# Altium PCB Middle_PCB_PC104_Shield_Positioning.PcbDoc (part 1 of 2) (continued)
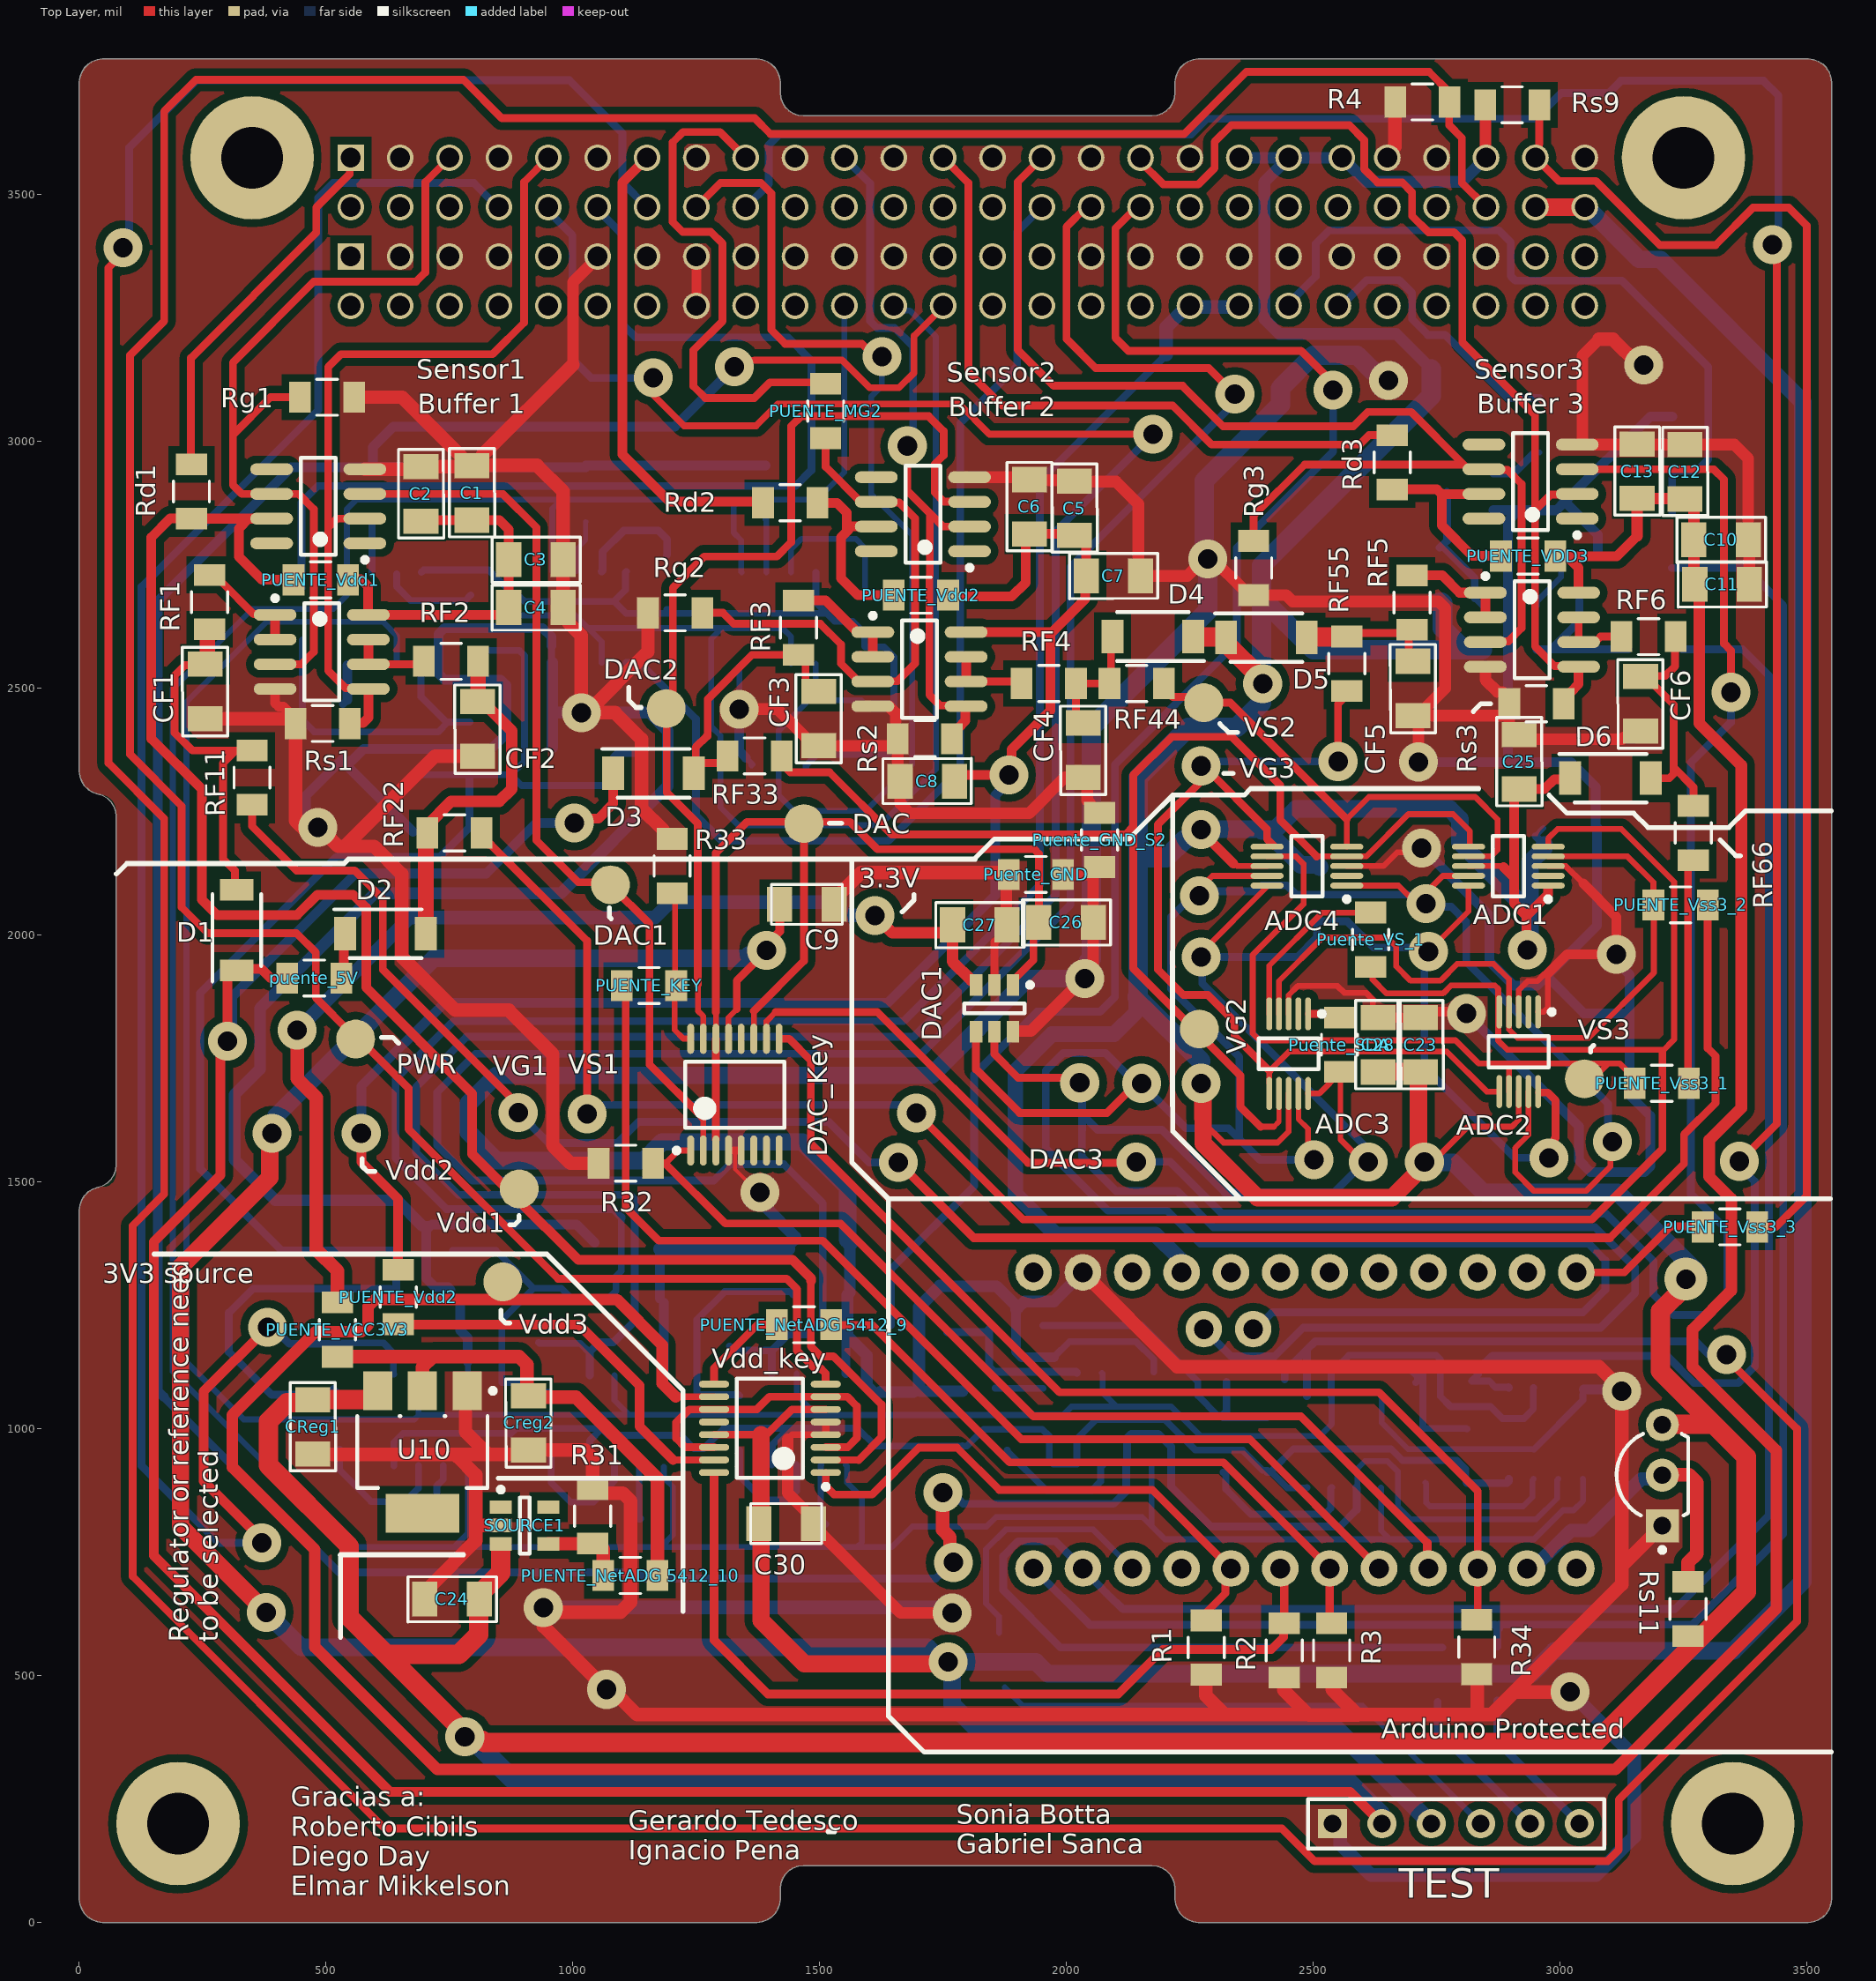
[diagram p0: Top Layer view]
## Part data (continued)
U1 U2 U3 U4 U5 U6 U7 U8 U9: "256K, 32768x8-bit, 3.6V SPI Serial SRAM, 8-Pin SOIC 3.9mm, Extended Temperature", Manufacturer=Microchip, Supplier Part Number 1=23K256-E/SN-ND, Code_IPC=SOIC127P600-8, Code_JEDEC=MS-012, ComponentLink1Description="Manufacturer URL", ComponentLink1URL=http://www.microchip.com/, ComponentLink2Description=Datasheet, ComponentLink2URL=http://ww1.microchip.com/downloads/en/DeviceDoc/22100D.pdf, ComponentLink3Description="Package Specification", ComponentLink3URL=http://www.microchip.com/stellent/groups/techpub_sg/documents/packagingspec/en012702.pdf, DatasheetVersion="revD, Apr-2009", Mounting Technology="Surface Mount", PackageDescription="8-Lead Plastic Small Outline (SN) - Narrow, 3.90mm Body [SOIC]", PackageReference=SOIC-SN8, PackageVersion="revBB, Aug-2009", PartNumber=23K256-E/SN, Supplier 1=Digi-Key, Supplier 2=Mouser, Supplier Part Number 2=579-23K256-E/SN
U10: library part CMP-07128-000021-1, "IC REG LINEAR 3.3V 1A SOT223", Ambient Temperature Range High=+125°C, Ambient Temperature Range Low=-40°C, Case/Package=SOT-223, Dropout Voltage=1.07V, Input Bias Current=6mA, Manufacturer="ON Semiconductor", Manufacturer Part Number=NCV1117ST33T3G, Max Input Voltage=20V, Max Junction Temp=+150°C, Max Operating Temperature=125°C, Max Output Current=1A, Min Supply Voltage=2.4V, Nominal Output Voltage=3.3V, Output Voltage Accuracy=1%, Package=318H, Package Quantity=1, Quiescent Current=10mA, Temperature="-55°C to +150°C", Temperature Range Low=-55°C, Accuracy=1%, Accuracy Percentage=1%, Automotive=Yes, Automotive Grade="Grade 0", Category=IC, ComponentLink1Description=https://datasheet.ciiva.com/2061/ncp1117-d-2061392.pdf?src-supplier=Digi-Key, ComponentLink1URL=https://datasheet.ciiva.com/2061/ncp1117-d-2061392.pdf?src-supplier=Digi-Key, ComponentLink2Description=Datasheet, ComponentLink2URL=https://www.onsemi.com/pub/Collateral/NCP1117-D.PDF, ComponentLink3Description="New link", ComponentLink4Description=https://datasheet.ciiva.com/2061/ncp1117-d-2061390.pdf?src-supplier=Digi-Key, ComponentLink4URL=https://datasheet.ciiva.com/2061/ncp1117-d-2061390.pdf?src-supplier=Digi-Key, ComponentLink5Description=https://datasheet.ciiva.com/2061/ncp1117-d-2061391.pdf?src-supplier=Digi-Key, ComponentLink5URL=https://datasheet.ciiva.com/2061/ncp1117-d-2061391.pdf?src-supplier=Digi-Key, Contact Plating=Tin,Matte, Device Class L1="Integrated Circuits (ICs)", Device Class L2="Power Management ICs", Device Class L3="Voltage Regulators - Linear", Digikey Description="IC REG LINEAR 3.3V 1A SOT223", Height=1.8mm, Ipc Land Pattern Name=SOT230P700X180-4, Lead Free=Yes, Length=6.7mm, Max Supply Voltage=20V, Min Current Limit=1A, Min Operating Temperature=-40°C, Mount="Surface Mount", Mouser Description="LDO Voltage Regulators 3.3V 1.0A Automotive", Nominal Supply Current=6mA, Number Of Outputs=1, Number of Pins=3, Number of Regulators=1, Octopart=https://octopart.com/ncv1117st33t3g-on+semiconductor-1215835, Output Current=1A, Output Type=Fixed, Output Voltage=3.3V, Packaging="Tape and Reel", Polarity=Positive, Pricing 2="1=0,67000, 10=0,57500, 25=0,53640, 100=0,39850, 250=0,33720, 500=0,32188, 1000=0,23758 (USD)", Radiation Hardening=No, REACH SVHC="No SVHC", RoHS=TRUE, RoHS Compliant=Yes, Series="Automotive, AEC-Q100", Standoff Height=0.02mm, Stock 2=7309, Supplier 1=Digi-Key, Supplier 2=Digi-Key, Supplier 3=Digi-Key, Temperature Range High=+150°C, Width=3.7mm

## Free pads (board coordinates)
  round 250 hole 125: 1(3250,3575) 2(350,3575) 3(3350,200) 4(200,200)
  round 78.74 smd: 5(3049.1,1708.85) 6(2278.1,2470.85) 7(2269.1,1809.85) 10(891.1,1485.85) 12(857.95,1297.65) 13(559.75,1789.5) 14(1189,2459) 15(1076,2102) 17(1468,2226)

## Via types
v1: diameter 78.74, hole 39.37, Top Layer to Bottom Layer, 66 vias
v2: diameter 86.61, hole 39.37, Top Layer to Bottom Layer, 1 vias

## Nets (pads, with @x,y where several pads share a name; then routed paths per layer and width w, separated by ;. In a path a pad name is that pad's centre, name@x,y a point inside that pad or via, vN(x,y) a via of type N, cw(c..) or ccw(c..) an arc to the next point about the centre after c; other vN are vias at no path point)
DAC_KEY: C26.2 DAC1.1 DAC_Key.3 DAC_Key.11 DAC_Key.14 pad.17 | length 2052.8
  Top Layer w11.81: DAC_Key.14@1289.71,1790.04 1289.71,1843.85 ; DAC_Key.11@1366.48,1790.04 1366.48,1846.24
  Top Layer w15.75: DAC_Key.3@1289.71,1586.3 DAC_Key.14@1289.71,1790.04 ; 1289.71,1843.85 1289.71,2166.71 1352.37,2229.37 1468,2229.37 1561.58,2229.37 1616.91,2174.04 1934.76,2174.04 1943.98,2164.81 C26.2@1943.98,2025.85 1933.1,2014.97 1933.1,1949.55 1891.5,1907.95 DAC1.1@1891.5,1899.1 ; 1366.48,1846.24 1468,1947.75 pad.17@1468,2226
Dig_1: "Arduino Protected.17" R1.2 Vdd_key.1 | length 1106.3
  Top Layer w15.75: Vdd_key.1@1512.29,910.3 1512.29,883.71 1529.15,866.85 1606.1,866.85 1701.1,961.85 1778.15,961.85 1864,876 2173.95,876 2333.1,716.85 2321.95,705.71 2321.95,666.71 R1.2@2282.1,626.85
Dig_2: "Arduino Protected.18" R2.2 Vdd_key.16 | length 1724.5
  Top Layer w17.72: Vdd_key.16@1286,906.93 1286,571.97 1395.1,462.85 2105.1,462.85 2195.25,553 2415,553 2440,578 2440,604.75 R2.2@2441.1,605.85 2441.1,708.85 2433.1,716.85
Dig_3: "Arduino Protected.19" "PUENTE_NetADG 5412_9.1" "PUENTE_NetADG 5412_9.2" R3.2 Vdd_key.9 | length 1518.2
  Top Layer w15.75: Vdd_key.9@1285.91,1094.06 1285.91,1122.9 1374.01,1211 1412.95,1211 1413.1,1210.85 ; 1523.1,1210.85 1524.1,1209.85 1607.15,1209.85 1885,932 2317.95,932 2533.1,716.85
  Top Layer w17.72: R3.2@2533.1,605.85 2533.1,716.85
Dig_4: "Arduino Protected.21" DAC_Key.1 R32.2 | length 2002.8
  Top Layer w11.81: 1187.85,1537.85 1213.66,1563.66 DAC_Key.1@1238.53,1563.66 ; 2731.14,718.81 2733.1,716.85
  Top Layer w15.75: R32.2@1162.1,1537.85 1187.85,1537.85 ; 1186.66,1537.85 1308.66,1415.85 1542.15,1415.85 1933,1025 2474.71,1025 2731.14,768.57
  Top Layer w17.72: 2731.14,718.81 2731.14,768.57
Dig_5: "Arduino Protected.20" DAC_Key.16 PUENTE_KEY.1 PUENTE_KEY.2 R33.2 | length 2612.9
  Top Layer w11.81: R33.2@1207.1,2096.85 1207.1,1899.85 PUENTE_KEY.2@1209.1,1897.85 1206.11,1894.87 1206.11,1807.89 1223.5,1790.5 1238.07,1790.5 DAC_Key.16@1238.53,1790.04
  Top Layer w15.75: PUENTE_KEY.1@1099.1,1897.85 1107,1889.95 1107,1447.95 1173.95,1381 1506,1381 1908,979 2370.95,979 2633.1,716.85
Dig_6: "Arduino Protected.22" DAC_Key.9 R34.2 | length 2150
  Top Layer w15.75: DAC_Key.9@1422.05,1790.04 1437.96,1790.04 1482.1,1745.9 1482.1,1577.9 1986,1074 2632.95,1074 2833.1,873.85 2833.1,716.85 R34.2@2833.1,612.85
Dig_temp: "Arduino Protected.12" H1.49 PUENTE_Vss3_3.PUENTE_Dig_temp Rs9.2 | length 3167.4
  Top Layer w15.75: Rs9.2@2958,3682 2958,3603.32 2957.31,3602.63 2957.31,3582.31 H1.49@2950,3575 2997.15,3527.85 3072.15,3527.85 3202,3398 3315,3398 3391,3474 3463,3474 3500,3437 3500,1472 3437,1409 PUENTE_Vss3_3.PUENTE_Dig_temp@3399,1409 ; 3033.1,1316.85 3130.03,1316.85 3223.18,1410 3288,1410 PUENTE_Vss3_3.PUENTE_Dig_temp@3289,1409
"FROM DAC_1": DAC_Key.2 pad.15 Sensor1.3 | length 1808.3
  Top Layer w11.81: 1262.15,1630.83 1264.12,1628.86 DAC_Key.2@1264.12,1563.66
  Top Layer w15.75: Sensor1.3@578.59,2893.85 858.1,2893.85 926,2825.95 926,2191.99 1010.91,2107.08 pad.15@1073.32,2107.08 ; pad.15@1076,2102 1155.1,2022.9 1155.1,1737.88 1262.15,1630.83
"FROM DAC_2": DAC_Key.15 pad.14 Sensor2.3 | length 2007.8
  Top Layer w11.81: 1253.1,1900.13 1253.1,1846.88 1264.12,1835.85 DAC_Key.15@1264.12,1790.04
  Top Layer w15.75: pad.14@1189,2459 1190,2436.75 1190,2289 1253.1,2225.9 1253.1,1900.13 ; pad.14@1202.54,2447.85 1202.54,2703.54 1266,2767 1413,2767 1442.1,2796.1 1442.1,3030.85 1462.48,3051.24 1720.76,3051.24 1751,3021 1751,2972 1733.1,2954.1 1733.1,2896.9 1752,2878 1803.44,2878 Sensor2.3@1803.59,2877.85
"FROM DAC_3": DAC_Key.10 Sensor3.3 | length 4304.5
  Top Layer w11.81: DAC_Key.10@1392.07,1812.68 1392.07,1825.65 1410.56,1844.14
  Top Layer w15.75: 1410.56,1844.14 1616.81,1844.14 1922.1,1538.85 2139.11,1538.85 v1(2141.1,1540.84) ; Sensor3.3@3034.59,2943.85 3311.15,2943.85 3332.1,2922.9 3332.1,2590.9 3346,2577 v1(3346,2492)
  Bottom Layer w15.75: v1@2150.03,1528.78 2162.05,1540.81 2210.14,1540.81 2315.1,1435.85 3093.15,1435.85 3189,1340 3189,1272 3230.15,1230.85 3300.1,1230.85 3339.1,1269.85 3339.1,1401.6 3265.1,1475.6 3265.1,2350.1 3346,2431 v1(3346,2492)
GND: "Arduino Protected.2" "Buffer 1.4" "Buffer 2.4" "Buffer 3.4" ADC1.3 ADC2.1 ADC2.3 ADC3.3 ADC4.3 C1.1 C2.1 C3.1 C4.1 C5.1 C6.1 C7.1 C8.1 C9.1 C10.1 C11.1 C12.1 C13.1 C14.1 C15.1 C16.1 C17.1 C18.1 C19.1 C20.1 C21.1 C22.1 C23.1 C24.2 C25.1 C26.1 C27.1 C28.1 C29.1 C30.1 CF1.1 CF2.1 CF3.1 CF4.1 CF5.1 CF6.1 CReg1.2 Creg2.1 DAC1.2 DAC1.6 DAC_Key.4 DAC_Key.5 H1.03 H1.07 H1.11 H1.15 H1.19 H1.23 H1.27 H1.31 H1.35 H1.43 H1.45 H1.51 H2.03 H2.05 H2.07 H2.11 H2.13 H2.15 H2.16 H2.17 H2.19 H2.21 H2.23 H2.31 H2.33 H2.35 H2.37 H2.39 H2.41 H2.43 H2.45 H2.47 IC1.1 PUENTE_GND.1 Puente_GND.1 Puente_GND.2 PUENTE_GND.2 Puente_GND_S2.1 Puente_GND_S2.2 PUETE_VCC_3.3V.1 PUETE_VCC_3.3V.2 Q1.2 Q2.2 R1.1 R2.1 R3.1 R4.1 R31.1 R32.1 R33.1 R34.1 Rg1.1 Rg2.1 Rg3.1 Rs1.1 Rs2.1 Rs3.1 Rs4.1 Sensor1.4 Sensor2.4 Sensor3.4 SOURCE1.2 TEST.1 U1.4 U2.4 U3.4 U4.4 U5.4 U6.4 U7.4 U8.4 U9.4 U10.1 Vdd_key.4 Vdd_key.5 | length 35035.9
  Top Layer w7.87: H1.07@850.1,3564.21 H1.07@850.1,3574.84 ; 1328.11,1563.66 1328.11,1526.13 1375.36,1478.88 v1(1379.1,1478.88) ; C6.1@1920.22,2927.85 C6.1@1925.1,2922.97
  Top Layer w10: H1.23@1650.1,3574.85 H1.23@1650.25,3575 ; H1.27@1850.1,3574.84 H1.27@1850.1,3574.9
  Top Layer w11.81: CF3.1@1488.26,2383.73 CF3.1@1498.1,2383.73 ; ADC3.3@2450.1,1840.56 2450.1,1878.56 2468.54,1897 2549,1897 2562.82,1883.18 2606.82,1883.18 2620.64,1869.36 2620.64,1843.43 C28.1@2631.1,1832.97 ; ADC4.3@2567.81,2139.85 2642.1,2139.85 2670.24,2168 2711.09,2168 v1(2719.22,2176.13) ; v1(2713.1,2350.85) v1@2713.1,2382.51 ; ADC2.3@2916.1,1844.56 2916.1,1888.82 2934.07,1906.8 2953.56,1906.8 2968.31,1921.55 2974.96,1921.55 2974.96,1865.52 2975,1865.48 2975,1853 2966.56,1844.56 ADC2.1@2955.47,1844.56 ; ADC1.3@2975.81,2139.85 3003.37,2139.85 3011.52,2139.85 3046.75,2104.62
  Top Layer w13.78: 1435.1,978.83 1444.32,988.06 Vdd_key.4@1512.29,988.06
  Top Layer w15.75: Rs1.1@438.1,2428.85 Rs1.1@438.1,2438.35 ; C2.1@686.98,2943.85 C2.1@692.1,2948.97 ; C1.1@793.1,2948.97 C1.1@795.1,2950.97 C1.1@795.98,2951.85 ; DAC_Key.4@1317.28,1563.66 1328.11,1563.66 DAC_Key.5@1338.94,1563.66 ; Vdd_key.4@1512.29,992.01 1512.29,1005 ; Rs2.1@1643.98,2383.73 Rs2.1@1658.1,2397.85 ; C8.1@1658.1,2316.73 C8.1@1662.98,2311.85 ; DAC1.2@1854.1,1899.1 1854.1,1985.89 C27.1@1883.1,2014.89 ; C27.1@1878.1,2021.97 C27.1@1879.22,2020.85 ; Puente_GND.1@1878.1,2117.85 Puente_GND.1@1883.1,2122.85 ; DAC1.6@1891.5,1804.61 DAC1.6@1892.74,1805.85 ; v1(2036.98,1911.85) 2034.1,1911.85 v1@2054.22,1931.97 ; Puente_GND_S2.1@2042.6,2122.85 Puente_GND_S2.1@2054.22,2134.47
  Top Layer w19.68: 396.61,2498.85 396.61,2470.34 404.15,2462.8 413.65,2462.8 Rs1.1@438.1,2438.35 ; H2.16@1250.1,3274.84 H2.15@1250.1,3374.84 ; H1.15@1250.1,3565.58 H1.15@1250.1,3574.84 ; C28.1@2631.1,1832.97 C23.1@2717.1,1832.97 ; C23.1@2741.28,1844.85 2806.33,1844.85 v1(2810.12,1841.07) ; 2974.96,1921.55 3014.26,1960.85 v1(3114.1,1960.85) 3114.1,2037.27 3046.75,2104.62
  Top Layer w23.62: 1000,3155.87 1000,3322.75 H2.11@1050.1,3372.85 ; v1(1337,2458) 1413.99,2458 CF3.1@1488.26,2383.73 ; 1435.1,978.83 1435.1,869.86 1487.12,817.84 C30.1@1487.12,798.16 ; C30.1@1487.12,808 C30.1@1487.12,798.16 ; CF3.1@1498.1,2383.73 Rs2.1@1643.98,2383.73 ; 1607.61,2463.85 1640.06,2463.85 1653.89,2450.01 1653.89,2402.06 Rs2.1@1658.1,2397.85 C8.1@1658.1,2316.73 ; C8.1@1662.98,2311.85 1662.98,2266.97 1683.1,2246.85 1923.87,2246.85 1996.75,2319.73 2028.32,2319.73 2042.1,2305.95 2042.1,2272.85 2047.41,2267.54 2047.41,2258.04 2057.6,2247.85 Puente_GND_S2.2@2067.1,2247.85 ; v1(1768.1,626.85) 1663.97,626.85 1506.45,784.38 1500.9,784.38 C30.1@1487.12,798.16 ; Sensor2.4@1803.59,2927.85 C6.1@1920.22,2927.85 ; C27.1@1878.1,2021.97 Puente_GND.1@1878.1,2117.85 ; DAC1.6@1892.74,1805.85 1928.1,1805.85 1972.1,1849.85 v1@2034.1,1911.85 ; C6.1@1925.1,2922.97 1926.6,2921.47 2014.6,2921.47 C5.1@2016.1,2919.97 2017.35,2918.72 2100.22,2918.72 2145.34,2873.6 2145.34,2727.73 2244.6,2727.73 2278.88,2762 2296.45,2762 2359.41,2699.04 2369.6,2688.85 2445.15,2688.85 2458,2676 2753.26,2676 2767.1,2662.16 2767.1,2499.89 CF5.1@2711.94,2444.73 ; Puente_GND.2@1993.1,2122.85 Puente_GND_S2.1@2042.6,2122.85 ; v1@2054.22,1931.97 C26.1@2054.22,2025.85 Puente_GND_S2.1@2054.22,2134.47 ; CF5.1@2702.1,2444.73 CF5.1@2711.94,2444.73 ; v1@2713.1,2382.51 2713.1,2443.58 CF5.1@2711.94,2444.73 ; 2848.61,2543.85 2848.61,2517.34 2873.47,2492.48 2882.97,2492.48 2897.1,2478.35 Rs3.1@2897.1,2468.85 ; Sensor3.4@3034.59,2993.85 Sensor3.4@3041.46,2993.85 ; 3078.82,3207.18 3045.1,3173.45 3045.1,2997.49 Sensor3.4@3041.46,2993.85 ; CF6.1@3149.32,2399.95 3128.74,2399.95 3125.64,2396.85 2926.27,2396.85 C25.1@2917,2406.12 2910.88,2406.12 2897.1,2419.9 Rs3.1@2897.1,2468.85 ; C11.1@3383.22,2710.85 3383.22,2798.85 C10.1@3381.22,2800.85 3381.22,2965.73 3352.98,2993.97 C12.1@3253.1,2993.97 3155.1,2993.97 3154.98,2993.85 Sensor3.4@3041.46,2993.85 ; CF5.1@2711.94,2444.73 2881,2444.73 2897.1,2460.83 Rs3.1@2897.1,2468.85
  Top Layer w27.56: CF1.1@255.1,2438.73 Rs1.1@428.22,2438.73 ; Rs1.1@438.1,2428.85 438.1,2231.83 463.6,2206.33 v1@470.57,2206.33 ; CReg1.2@473.1,948.73 473.98,947.85 766.1,947.85 ; v1(482.85,2218.6) v1@470.57,2206.33 ; Rg1.1@557.1,3089.85 654,3089.85 773.44,2970.41 773.44,2962.78 785.26,2950.97 C1.1@795.1,2950.97 ; Sensor1.4@578.59,2943.85 C2.1@686.98,2943.85 ; C2.1@692.1,2948.97 C1.1@793.1,2948.97 ; C24.2@699.98,654.85 711.79,666.66 711.79,681.79 803.1,773.1 803.1,803.85 ; U10.1@785.65,1061.03 782.32,1057.7 782.32,994.08 828.55,947.85 ; C1.1@795.98,2951.85 C1.1@805.82,2951.85 ; CF2.1@807.1,2362.73 720.98,2362.73 538.12,2179.88 ; SOURCE1.2@853.87,803.85 803.1,803.85 ; 1000,3155.87 816.75,2972.62 816.75,2962.78 C1.1@805.82,2951.85 ; R32.1@1052.1,1537.85 995.1,1537.85 959.1,1573.85 959.1,1758.9 870,1848 762,1848 653,1957 653,2124 597.12,2179.88 538.12,2179.88 ; Rg2.1@1152,2653 1152,2574.25 v1@1028.6,2450.85 ; R33.1@1201,2195 1191.5,2195 1183.28,2203.22 1183.28,2212.72 1139,2257 1139,2397 1085.15,2450.85 v1@1028.6,2450.85 ; C9.1@1529.12,2062.21 1529.12,2072.05 1584.06,2127 1878.95,2127 Puente_GND.1@1883.1,2122.85 ; 2033.1,1316.85 2223.95,1126 3078.65,1126 v1@3128.8,1075.85 ; R1.1@2282.1,501.85 2282.1,459.85 2321.1,420.85 ; R2.1@2440.1,495.85 2440.1,470.85 2490.1,420.85 ; R3.1@2538.1,495.85 2538.1,471.85 2588.86,421.09 ; H1.43@2650,3575 2650,3582.14 2665,3597.14 R4.1@2665,3688 ; R34.1@2832.1,502.85 2832.1,421.09 ; v1(3020,467) 2907.25,467 ; 3078.82,3207.18 3107.04,3207.18 3159.22,3155 v1(3169,3155) ; v1(3124.86,1075.85) 3124.86,721.5 ; CF6.1@3158.1,2408.73 CF6.1@3163.1,2413.73 ; IC1.1@3207,803.64 3124.86,721.5 ; v1@470.57,2206.33 472.1,2204.8 499.66,2204.8 524.58,2179.88 538.12,2179.88 ; 766.1,947.85 828.55,947.85 ; 766.1,947.85 766.1,943.85 803.1,906.85 803.1,803.85 ; C1.1@805.82,2951.85 816.75,2951.85 927.1,2951.85 980.22,2898.73 C3.1@980.22,2760.85 C4.1@980.22,2663.85 992.03,2652.04 992.03,2631.98 1017.1,2606.91 v1(1017.1,2450.85) v1@1028.6,2450.85 ; 828.55,947.85 901.22,947.85 Creg2.1@910.1,956.73 1023.95,956.73 1040.1,940.59 R31.1@1040.1,877.85 1048.32,869.63 1100.86,869.63 1117,853.49 1117,649 1096.5,628.5 949.5,628.5 v1(940,638) 940,600 v1(1068,472) 1078.77,472 1129.92,420.85 2321.1,420.85 ; 2321.1,420.85 2490.1,420.85 ; 2490.1,420.85 2491.1,419.85 2590.1,419.85 2588.86,421.09 ; 2588.86,421.09 2832.1,421.09 ; 2832.1,421.09 2861.34,421.09 2907.25,467 ; 2907.25,467 3124.86,684.62 3124.86,721.5
  Bottom Layer w11.81: C19.1@752.22,1271.85 C19.1@771.9,1252.17 ; U6.4@787.1,1110.37 U6.4@787.1,1135.96 ; v1(1337,2458) 1337,2544.73 U3.4@1342.1,2549.83 ; C16.1@1350.1,2359.81 1364.1,2345.81 C16.1@1361.98,2343.69 ; U8.4@2637.1,1065.89 2638.47,1064.52 2638.47,1012.49 2692.1,958.85 2947.17,958.85 ; C29.1@3072.1,2220.97 C29.1@3076.22,2216.85
  Bottom Layer w13.78: PUENTE_GND.1@551.1,2337.89 PUENTE_GND.1@552.14,2336.85 ; C15.1@676.26,2209.73 C15.1@686.1,2209.73 ; C19.1@752.22,1271.85 C19.1@752.22,1281.69 ; U1.4@956.4,2586.25 956.4,2553.7 U1.4@958.28,2551.81 ; 958.28,2447.85 961.28,2450.85 ; C18.1@1176.1,1263.97 C18.1@1179.22,1260.85 C18.1@1184.1,1255.97 ; PUENTE_GND.2@1436.1,1363.85 PUENTE_GND.2@1451.1,1378.85 PUENTE_GND.2@1451.1,1388.35 ; C17.1@1556.22,1271.85 C17.1@1561.1,1276.73 ; C21.1@1690.4,1074.47 1703.6,1074.47 C21.1@1704.1,1073.97 ; 1974.1,1144.85 2006.1,1176.85 2140.68,1176.85 2176.88,1140.64 U9.4@2176.88,1115.05 ; v1@2036.98,1910.73 v1(2036.98,1911.85) ; 2947.17,958.85 3046.1,1057.78 U7.4@3046.1,1069.52
  Bottom Layer w15.75: PUENTE_GND.2@534.1,2467.85 PUENTE_GND.2@543.1,2476.85 ; C22.1@1595.54,1092.69 1613.26,1074.97 C22.1@1623.1,1074.97 ; C21.1@1701.1,1078.97 C21.1@1704.1,1075.97 ; 1974.44,1258.2 1975.43,1259.18 ; v1(2719.22,2176.13) v1@2721.09,2176.13
  Bottom Layer w17.72: U4.4@1553.1,1111.89 1553.1,1185.03
  Bottom Layer w19.68: v1(482.85,2218.6) 470.8,2218.6 459.27,2230.13 459.27,2262.99 459.1,2263.17 459.1,2282.85 PUENTE_GND.1@534.1,2357.85 ; PUENTE_GND.1@542.1,2352.85 551.6,2352.85 575.75,2377 834.25,2377 865.1,2407.85 865.1,2506.32 853.57,2517.85 739.9,2517.85 728.1,2529.65 728.1,2610.7 739.63,2622.23 938.72,2622.23 956.4,2604.55 U1.4@956.4,2586.25 ; PUENTE_GND.2@543.1,2476.85 U2.4@543.1,2546.68 ; PUENTE_GND.1@544.14,2341.85 C15.1@676.26,2209.73 ; 695.1,1410.85 711.1,1410.85 ; C19.1@752.22,1281.69 747.06,1286.85 721.1,1286.85 703.1,1304.85 703.1,1402.85 711.1,1410.85 ; C19.1@771.9,1252.17 771.9,1199.47 787.1,1184.27 U6.4@787.1,1135.96 ; PUETE_VCC_3.3V.2@1044,1376.95 1007.1,1413.85 714.1,1413.85 711.1,1410.85 ; C18.1@1176.1,1263.97 PUETE_VCC_3.3V.1@1176.1,1363.85 ; U5.4@1184.1,1108.37 C18.1@1184.1,1255.97 ; v1(1337,2458) 1337,2372.91 C16.1@1350.1,2359.81 ; 1898.1,1241.2 1898.1,1156.38 1909.63,1144.85 1974.1,1144.85 ; v1(2713.1,2350.85) 2901.1,2350.85 ; v1@2721.09,2176.13 2857.1,2040.12 2857.1,1946.85 2906.1,1897.85 2953.4,1897.85 2972.75,1917.2 ; v1(2810.12,1841.07) 3038.12,1613.06 3038.12,1543.83 3061.73,1520.22 3171.57,1520.22 3183.1,1531.75 3183.1,1633.85 3141.1,1675.85 3141.1,1841.85 ; Q2.2@2865.1,2860.85 2915.91,2860.85 ; U7.4@3047.92,1079.61 3121.1,1079.61 v1(3124.86,1075.85) ; C29.1@3072.1,2220.97 3072.1,2300.85 3022.1,2350.85 2901.1,2350.85 ; C29.1@3076.22,2216.85 3075.1,2215.73 3075.1,2019.55 2972.75,1917.2 ; Q1.2@3076.5,2772.1 3076.5,2811.45 3009.88,2878.07 ; v1@3114.1,1947.13 3141.1,1920.13 3141.1,1841.85 ; Rs4.1@3227.1,3050.85 3182.66,3050.85 3009.88,2878.07 ; 2901.1,2350.85 2894.1,2357.85 2894.1,2839.04 2915.91,2860.85 ; 2915.91,2860.85 2992.66,2860.85 3009.88,2878.07 ; 2972.75,1917.2 3048.1,1841.85 3141.1,1841.85
  Bottom Layer w23.62: 695.1,1410.85 643.1,1462.85 397.1,1462.85 315,1544.95 315,1677.22 366,1728.22 366,1852 599,2085 975.25,2085 1192.1,2301.85 1192.1,2413.85 1155.1,2450.85 v1(1017.1,2450.85) 961.28,2450.85 ; C14.1@958.28,2380.43 958.28,2447.85 U1.4@958.28,2551.81 ; v1(1379.1,1478.88) 1389.65,1468.34 1389.65,1449.8 PUENTE_GND.2@1451.1,1388.35 ; C17.1@1556.22,1271.85 1556.22,1188.15 1595.54,1148.83 C22.1@1595.54,1092.69 ; C17.1@1561.1,1276.73 PUENTE_GND.1@1561.1,1378.85 ; C22.1@1623.1,1074.97 1623.6,1074.47 C21.1@1690.4,1074.47 ; C21.1@1704.1,1075.97 C20.1@1789.1,1075.97 ; 1746.1,1288.85 1858.1,1288.85 1901.92,1245.03 ; 1898.1,1241.2 1901.92,1245.03 ; 2033.1,1316.85 1974.29,1258.04 1914.94,1258.04 1901.92,1245.03
  Bottom Layer w25.59: C21.1@1701.1,1078.97 1701.1,1246.85 1743.1,1288.85 1746.1,1288.85
  Bottom Layer w27.56: v1(940,638) 1752.95,638 1764.1,626.85 v1(1768.1,626.85) ; PUETE_VCC_3.3V.1@1176.1,1363.85 PUENTE_GND.2@1436.1,1363.85 ; TEST.1@2539.1,199.85 2554.85,184.1 2554.85,158.15 2617,96 3073,96 3150,173 3150,337 v1(3020,467)
  Bottom Layer w35.43: PUENTE_GND.1@1561.1,1378.85 1556.81,1383.14 1556.81,1489.14 1464.95,1581 1180.45,1581 1142.86,1543.41 845.54,1543.41 787.1,1601.85 787.1,1657.85 845.1,1715.85 1726.1,1715.85 1922.1,1911.85 2035.86,1911.85 v1@2036.98,1910.73
  Bottom Layer w39.37: v1(2036.98,1911.85) 2044.51,1919.39 2044.51,1947.22 2050.1,1952.81 2050.1,2421.1 2286,2657 v1(2286,2762) ; v1@2278.67,2762 2278.67,2920.43 2433.15,3074.9 2433.15,3107.9 2500.25,3175 2588.23,3175 2619.69,3143.54 2621.76,3143.54 2641.44,3123.85 v1(2652.1,3123.85)
M1D: H1.01 Rd1.1 | length 755.7
  Top Layer w15.75: Rd1.1@227.1,2953.85 226.1,2954.85 226.1,3169.21 480,3423.11 480,3474 548,3542 548,3573 H1.01@550,3575
M1G: "Buffer 1.3" H1.05 Rg1.2 Sensor1.6 | length 1695.9
  Top Layer w15.75: 396.61,2548.85 450.1,2548.85 475.1,2573.85 475.1,2862.85 444.1,2893.85 Sensor1.6@389.61,2893.85 329.1,2893.85 311.1,2911.85 311.1,3013.85 ; Rg1.2@447.1,3089.85 387.1,3089.85 311.1,3013.85 ; H1.05@750.1,3574.84 701,3525.75 701,3342.75 682.1,3323.85 474.85,3323.85 311.1,3160.1 311.1,3013.85
M1S: "Buffer 1.5" H1.09 Rs1.2 Sensor1.2 | length 1682.8
  Top Layer w15.75: Sensor1.2@578.59,2843.85 521.85,2843.85 504.1,2826.1 ; 585.59,2498.85 584.08,2500.36 539.64,2500.36 504.1,2535.9 504.1,2826.1 ; H1.09@950.1,3574.84 901,3525.75 901,3240.75 837.25,3177 530.25,3177 504.1,3150.85 504.1,2826.1
  Top Layer w19.68: Rs1.2@548.1,2428.85 549.25,2430 575,2430 585.59,2440.59 585.59,2498.85
M2D: H1.13 Rd2.1 | length 947.6
  Top Layer w15.75: Rd2.1@1383.02,2877.93 Rd2.1@1385.1,2875.85
  Top Layer w19.68: H1.13@1150.1,3574.84 1100,3524.75 1100,2973.62 1195.69,2877.93 Rd2.1@1383.02,2877.93
M2G: "Buffer 2.3" H1.17 PUENTE_MG2.1 PUENTE_MG2.2 Rg2.2 Sensor2.6 | length 2167.2
  Top Layer w11.81: PUENTE_MG2.2@1509.1,3119.85 PUENTE_MG2.2@1512.1,3116.85 ; 1579.31,2513.85 1607.61,2513.85
  Top Layer w15.75: Rg2.2@1262,2653 1303.85,2653 1326,2630.85 1501.1,2630.85 1543.1,2588.85 1543.1,2550.06 1579.31,2513.85 ; H1.17@1350,3575 1298,3627 1223,3627 1202,3606 1202,3445 1222.15,3424.85 1279.1,3424.85 1303.1,3400.85 1303.1,3243.85 1244.1,3184.85 1244.1,3112.32 1268.1,3088.32 1367.57,3088.32 1399.1,3119.85 PUENTE_MG2.2@1509.1,3119.85 ; PUENTE_MG2.1@1512.1,3006.85 1512.1,2948.87 1583.11,2877.85 Sensor2.6@1614.61,2877.85 1616.12,2876.35 1661.65,2876.35 1693.1,2844.9 1693.1,2550.1 1657.29,2514.29 1608.04,2514.29 1607.61,2513.85
M2S: "Buffer 2.5" H1.21 Rs2.2 Sensor2.2 | length 1439.5
  Top Layer w15.75: v1@1677.6,2991.2 1677.6,2900.35 1723.1,2854.85 1723.1,2727.62 1722.35,2726.88 1722.35,2486.65 1743.64,2465.36 1795.08,2465.36 1796.59,2463.85 ; 1726.2,2851.7 1750.05,2827.85 Sensor2.2@1803.59,2827.85
  Top Layer w19.68: Rs2.2@1768.1,2397.85 1768.1,2407.35 1780.26,2419.51 1780.51,2419.51 1795.04,2434.04 1795.04,2462.31 1796.59,2463.85
  Bottom Layer w11.81: v1(1677.58,2991.22) 1678.5,2992.25 v1@1689.1,3002.85
  Bottom Layer w15.75: H1.21@1550.1,3574.84 1602.1,3522.84 1602.1,3244.22 1616.17,3230.16 1651.84,3230.16 1689.1,3192.9 v1@1689.1,3002.85
M3D: H1.25 Rd3.1 | length 1382.8
  Top Layer w15.75: H1.25@1750,3575 1801,3524 1801,3141.37 1869.51,3072.85 2215.1,3072.85 2294.1,2993.85 2593.85,2993.85 2612.85,3012.85 Rd3.1@2660.1,3012.85
M3G: "Buffer 3.3" H1.29 Rg3.2 Sensor3.6 | length 2463.5
  Top Layer w15.75: H1.29@1950.1,3574.84 1901,3525.75 1901,3185.95 1974.1,3112.85 2235.1,3112.85 2317.1,3030.85 2581.1,3030.85 2610.25,3060 2697.97,3060 2804.61,2953.36 ; Rg3.2@2379.1,2798.85 2379.1,2849.85 2482.61,2953.36 2804.61,2953.36 ; 2848.61,2593.85 2850.12,2595.36 2895.36,2595.36 2922.1,2622.1 2922.1,2913.9 2893.66,2942.35 2847.12,2942.35 Sensor3.6@2845.61,2943.85 2814.11,2943.85 2804.61,2953.36
M3S: "Buffer 3.5" H1.33 Rs3.2 Sensor3.2 | length 2095
  Top Layer w15.75: H1.33@2150.1,3574.84 2150.1,3566.86 2196.11,3520.85 2267.1,3520.85 2300.1,3553.85 2300.1,3607.1 2333.99,3640.99 2573.01,3640.99 2603,3611 2603,3552 2630,3525 2680,3525 2700,3505 2700,3457 2733,3424 2785,3424 2801.87,3407.13 2801.87,3201.08 2949.1,3053.85 2949.1,2861.1 ; Rs3.2@3007.1,2468.85 Rs3.2@3007.1,2478.35 ; Sensor3.2@3034.59,2893.85 3033.08,2892.35 2980.35,2892.35 2949.1,2861.1 ; 3037.59,2543.85 3036.44,2545 2989,2545 2949.1,2584.9 2949.1,2861.1
  Top Layer w19.68: Rs3.2@3007.1,2478.35 3021.22,2492.48 3021.65,2492.48 3037.59,2508.42 3037.59,2543.85
"NetArduino Protected1_23": "Arduino Protected.23" IC1.2 Rs11.2 | length 637.7
  Top Layer w27.56: IC1.2@3207,906 3208,907 3260.86,907 3277,890.86 3277,747 3259,729 Rs11.2@3259,690
  Bottom Layer w27.56: 2933.1,716.85 2944.85,716.85 3022,794 3060,794 3164.47,898.47 3199.47,898.47 IC1.2@3207,906
NetC27_2: "PUENTE_NetADG 5412_10.Puente_3V3_1" C27.2 Creg2.2 DAC1.3 PUENTE_VCC3V3.1 PUENTE_VCC3V3.2 R31.2 SOURCE1.4 U10.2 | length 3426.9
  Top Layer w15.75: SOURCE1.4@950.33,766.45 SOURCE1.4@951.03,767.15
  Top Layer w19.68: Creg2.2@907.1,1069.97 Creg2.2@910.1,1066.97 Creg2.2@913.22,1063.85
  Top Layer w23.62: v1(1612.1,2039.85) 1647.2,2004.75 1755.2,2004.75 C27.2@1768.98,2018.53 ; C27.2@1768.98,2020.85 C27.2@1768.98,2018.53 ; DAC1.3@1816.7,1899.1 1816.7,1907.95 1815.71,1908.94 1806.85,1908.94 1768.98,1946.81 C27.2@1768.98,2018.53
  Top Layer w27.56: v1(441.35,1807.58) 441.35,1709.6 480,1670.95 480,1363 523.1,1319.9 PUENTE_VCC3V3.2@523.1,1255.85 ; PUENTE_VCC3V3.1@523.1,1145.85 523.25,1146 716.1,1146 ; U10.2@695.1,1076.88 695.1,1125 716.1,1146 ; Creg2.2@907.1,1069.97 907.1,1129.86 890.95,1146 716.1,1146 ; Creg2.2@913.22,1063.85 1006.1,1063.85 1171.1,898.85 1171.1,702.85 ; SOURCE1.4@951.03,767.15 1049.64,767.15 1061.1,755.69 1061.1,702.85
  Bottom Layer w27.56: v1(441.35,1807.58) 669.62,2035.85 1166.1,2035.85 1197.25,2067 1526.95,2067 1553.59,2040.36 1611.59,2040.36 v1(1612.1,2039.85)
NetCF1_2: CF1.2 D1.2 RF1.1 RF11.2 | length 738.7
  Top Layer w15.75: CF1.2@255.1,2548.97 253.13,2547 214,2547 193,2526 193,2410.19 229.19,2374 317,2374 ; D1.2@319,2091.69 315,2095.69 315,2131 291,2155 291,2348 317,2374 ; RF11.2@350,2374 317,2374
  Top Layer w31.5: CF1.2@255.1,2548.97 259.6,2553.47 259.6,2615.35 RF1.1@264.1,2619.85